# KiCad board Control_Unit_Final.kicad_pcb
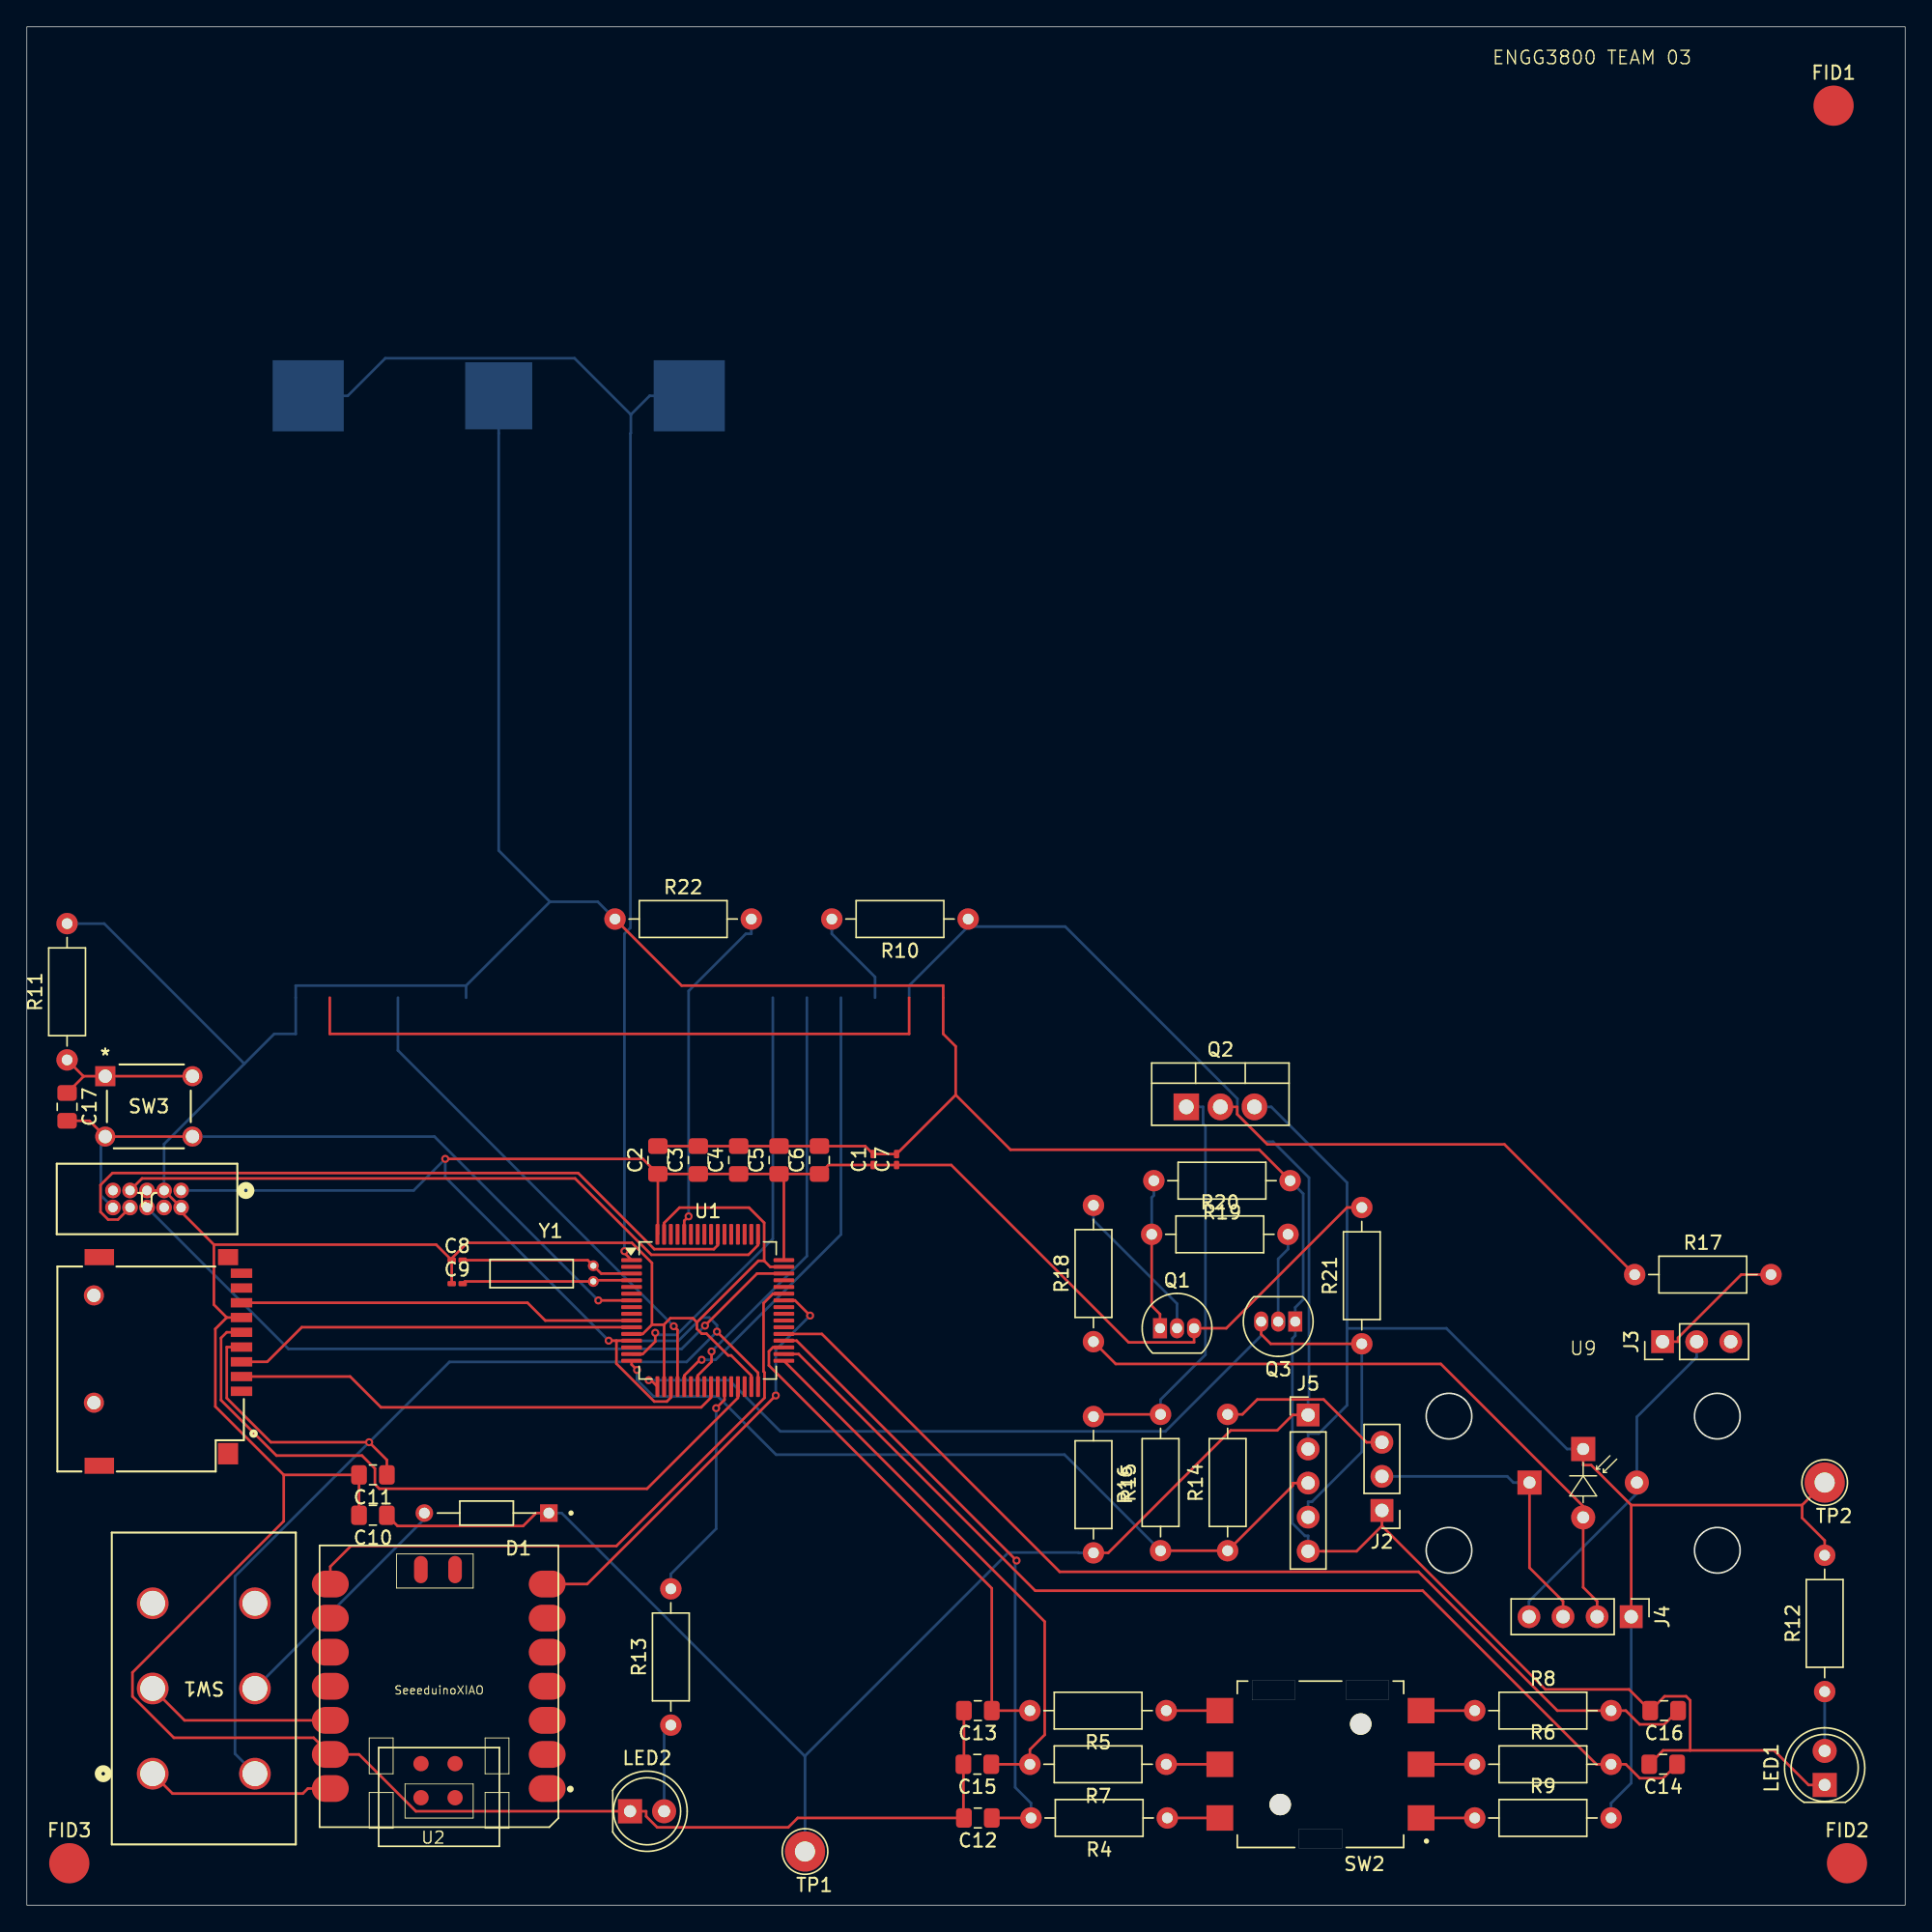
[diagram p0: board, top side]
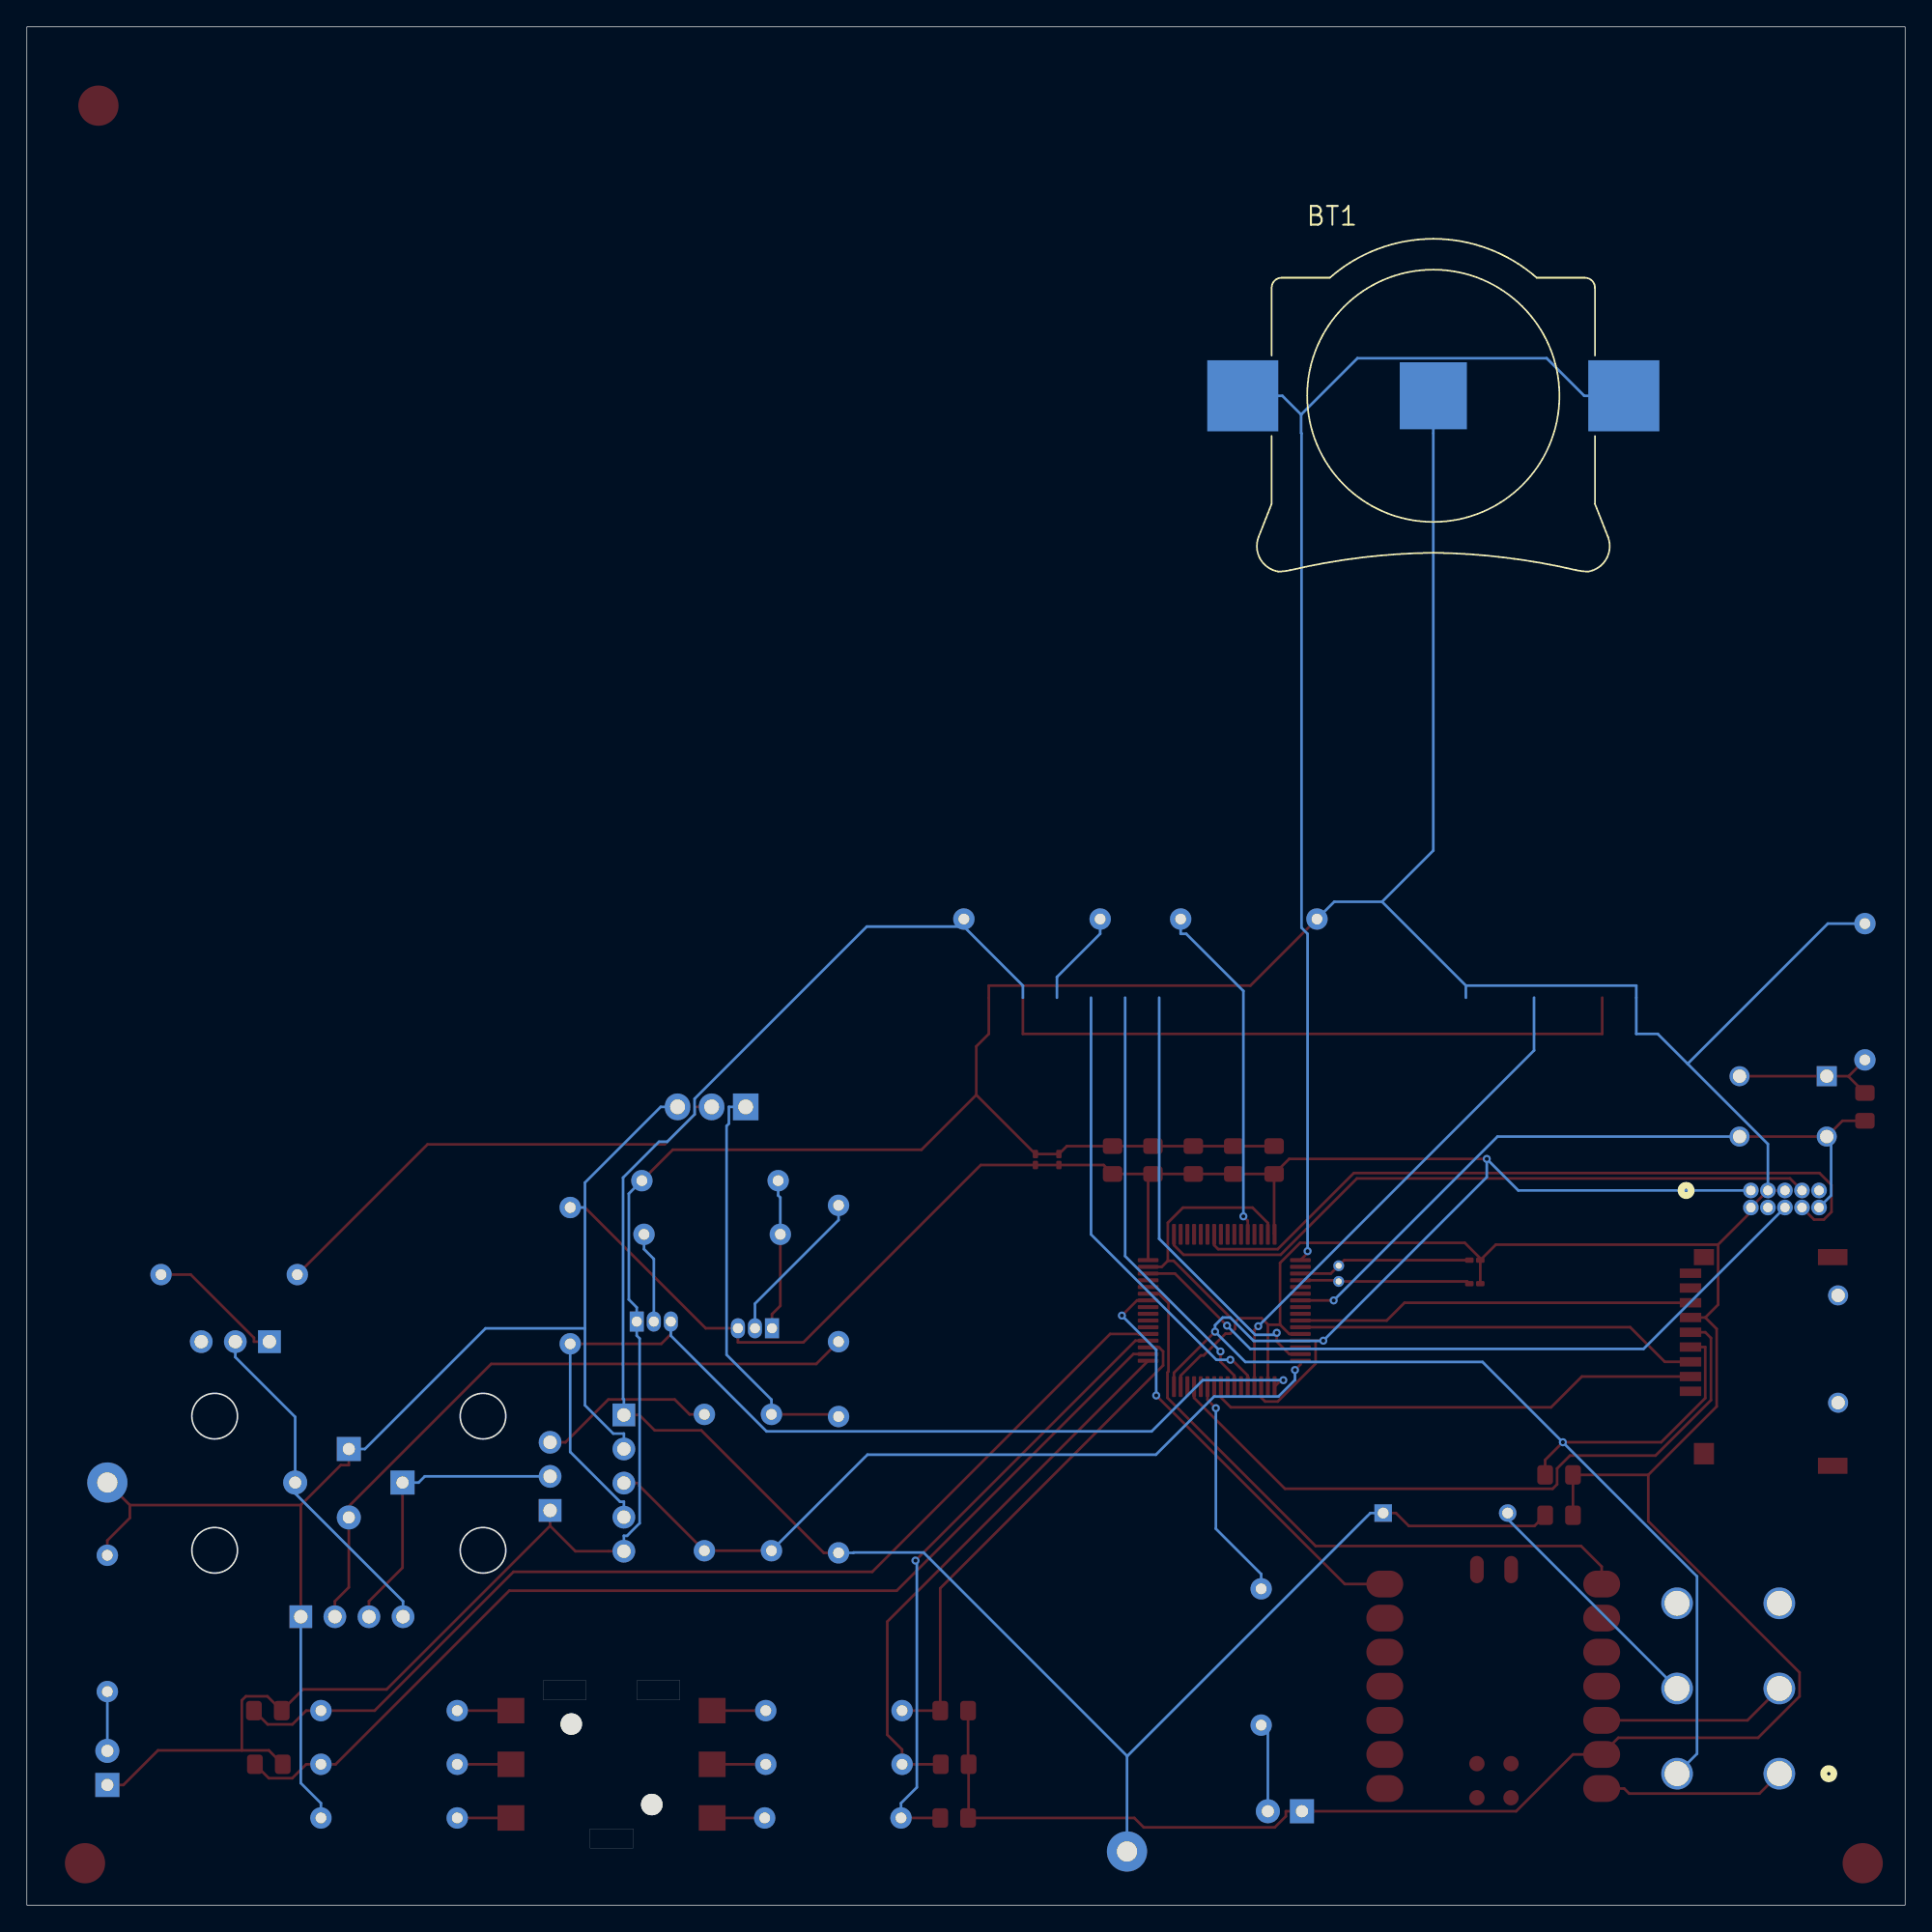
[diagram p1: board, bottom side, seen from below]

Outline 140 x 140 mm; copper layers: Top, Bottom. Coordinates in mm from the lower left corner of the outline.
Outline path: rectangle 0,140 140,0
Stack: Top 0.035mm / dielectric 1.51mm FR4 er 4.5 / Bottom 0.035mm

## Placement (name value [footprint] x y rotation side)
BT1  BHX1-2032-SM  [BAT_BHX1-2032-SM]  35.17 112.5 180 bottom
C1  4.7u 10% 10V X5R  [C_0201_0603Metric_Pad0.64x0.40mm_HandSolder]  63.08 55.58 90 top
C2  100n  [C_0805_2012Metric_Pad1.18x1.45mm_HandSolder]  47.03 55.54 90 top
C3  100n  [C_0805_2012Metric_Pad1.18x1.45mm_HandSolder]  50.05 55.54 90 top
C4  100n  [C_0805_2012Metric_Pad1.18x1.45mm_HandSolder]  53.06 55.54 90 top
C5  100n  [C_0805_2012Metric_Pad1.18x1.45mm_HandSolder]  56.06 55.54 90 top
C6  100n  [C_0805_2012Metric_Pad1.18x1.45mm_HandSolder]  59.08 55.54 90 top
C7  1UF  [C_0201_0603Metric_Pad0.64x0.40mm_HandSolder]  64.83 55.58 90 top
C8  1UF  [C_0201_0603Metric_Pad0.64x0.40mm_HandSolder]  32.08 48.08 0 top
C9  1UF  [C_0201_0603Metric_Pad0.64x0.40mm_HandSolder]  32.08 46.33 0 top
C10  10u  [C_0805_2012Metric_Pad1.18x1.45mm_HandSolder]  25.8 29.06 180 top
C11  10u  [C_0805_2012Metric_Pad1.18x1.45mm_HandSolder]  25.8 32.07 180 top
C12  100n  [C_0805_2012Metric_Pad1.18x1.45mm_HandSolder]  70.88 6.5 180 top
C13  100n  [C_0805_2012Metric_Pad1.18x1.45mm_HandSolder]  70.88 14.5 180 top
C14  100n  [C_0805_2012Metric_Pad1.18x1.45mm_HandSolder]  121.96 10.5 180 top
C15  100n  [C_0805_2012Metric_Pad1.18x1.45mm_HandSolder]  70.84 10.5 180 top
C16  100n  [C_0805_2012Metric_Pad1.18x1.45mm_HandSolder]  122.04 14.5 180 top
C17  100n  [C_0805_2012Metric_Pad1.18x1.45mm_HandSolder]  3 59.5 270 top
D1  7.5V 500mW 5%  [DIOAD928W47L399D179]  34.27 29.23 180 top
J1  ETSG: 07-20-01  [CONN_3220-10-0100-00_CNC]  11.5 53.27 180 top
J2  Conn_01x03_Pin  [PinHeader_1x03_P2.54mm_Vertical]  101 29.42 180 top
J3  Conn_01x03_Pin  [PinHeader_1x03_P2.54mm_Vertical]  121.92 42 90 top
J4  Conn_01x04_Pin  [PinHeader_1x04_P2.54mm_Vertical]  119.58 21.5 270 top
J5  Conn_01x05_Pin  [PinHeader_1x05_P2.54mm_Vertical]  95.5 36.54 0 top
LED1  BLUE  [LED_D5.0mm_Clear]  134 8.96 90 top
LED2  GREEN  [LED_D5.0mm_Clear]  44.96 7 0 top
NOREF  -  [unnamed]  134.66 134.13 0 top
NOREF#2  -  [unnamed]  135.66 3.13 0 top
NOREF#3  -  [unnamed]  3.16 3.13 0 top
Q1  2N3904  [TO-92_Inline]  84.46 43 0 top
Q2  IRF9540N  [TO-220-3_Vertical]  86.42 59.5 0 top
Q3  2N3904  [TO-92_Inline]  94.54 43.5 180 top
R4  1K /0W125 / 100R / 0.125 Watt / 1%  [R_Axial_DIN0207_L6.3mm_D2.5mm_P10.16mm_Horizontal]  85 6.5 180 top
R5  1K /0W125 / 100R / 0.125 Watt / 1%  [R_Axial_DIN0207_L6.3mm_D2.5mm_P10.16mm_Horizontal]  84.93 14.5 180 top
R6  1K /0W125 / 100R / 0.125 Watt / 1%  [R_Axial_DIN0207_L6.3mm_D2.5mm_P10.16mm_Horizontal]  107.92 10.5 0 top
R7  1K /0W125 / 100R / 0.125 Watt / 1%  [R_Axial_DIN0207_L6.3mm_D2.5mm_P10.16mm_Horizontal]  84.93 10.5 180 top
R8  1K /0W125 / 100R / 0.125 Watt / 1%  [R_Axial_DIN0207_L6.3mm_D2.5mm_P10.16mm_Horizontal]  107.92 14.5 0 top
R9  100R /0W125 / 100R / 0.125 Watt / 1%  [R_Axial_DIN0207_L6.3mm_D2.5mm_P10.16mm_Horizontal]  107.92 6.5 0 top
R10  1.2K  [R_Axial_DIN0207_L6.3mm_D2.5mm_P10.16mm_Horizontal]  70.16 73.5 180 top
R11  1K 1% 0W125 100R  [R_Axial_DIN0207_L6.3mm_D2.5mm_P10.16mm_Horizontal]  3 63 90 top
R12  20R 1% 0.100W  [R_Axial_DIN0207_L6.3mm_D2.5mm_P10.16mm_Horizontal]  134 15.92 90 top
R13  62R 5% 0.100W  [R_Axial_DIN0207_L6.3mm_D2.5mm_P10.16mm_Horizontal]  48 13.42 90 top
R14  15R  [R_Axial_DIN0207_L6.3mm_D2.5mm_P10.16mm_Horizontal]  89.5 26.42 90 top
R15  100R  [R_Axial_DIN0207_L6.3mm_D2.5mm_P10.16mm_Horizontal]  84.5 26.42 90 top
R16  10K  [R_Axial_DIN0207_L6.3mm_D2.5mm_P10.16mm_Horizontal]  79.5 36.42 270 top
R17  15R  [R_Axial_DIN0207_L6.3mm_D2.5mm_P10.16mm_Horizontal]  119.84 47 0 top
R18  1K  [R_Axial_DIN0207_L6.3mm_D2.5mm_P10.16mm_Horizontal]  79.5 42 90 top
R19  1K  [R_Axial_DIN0207_L6.3mm_D2.5mm_P10.16mm_Horizontal]  94.16 54 180 top
R20  100  [R_Axial_DIN0207_L6.3mm_D2.5mm_P10.16mm_Horizontal]  83.84 50 0 top
R21  1K  [R_Axial_DIN0207_L6.3mm_D2.5mm_P10.16mm_Horizontal]  99.5 41.84 90 top
R22  10K  [R_Axial_DIN0207_L6.3mm_D2.5mm_P10.16mm_Horizontal]  43.84 73.5 0 top
SW1  S201031MS02Q  [SW6_S201031MS02Q_CNK]  9.38 9.8 180 top
SW2  JS5208  [SW_JS5208]  96.42 10.5 180 top
SW3  1825910-6  [SW4_1825910-B_TEC]  12.34 57.29 0 top
TP1  TestPoint  [TestPoint_Loop_D2.54mm_Drill1.5mm_Beaded]  58 4 0 top
TP2  TestPoint  [TestPoint_Loop_D2.54mm_Drill1.5mm_Beaded]  134 31.5 0 top
U1  STM32L431RCT6  [LQFP-64_10x10mm_P0.5mm]  50.75 44.33 0 top
U2  SeeeduinoXIAO  [Seeeduino XIAO-MOUDLE14P-2.54-21X17.8MM]  39.62 26.81 180 top
U3  ~  [SD_Card]  9.5 40 270 top
U9  ~  [OPTIC3800T3]  116 41.5 0 top
Y1  AB26T-32.768KHZ  [XTAL_AB26T-32.768KHZ]  42.22 47.08 0 top

## Library data of the parts
BT1 = -: PARTREV: L; STANDARD: Manufacturer Recommendations; MAXIMUM_PACKAGE_HEIGHT: 4.32 mm; MANUFACTURER: MPD
C1 = -: Description: 4.7u; Field5: 10%; Field6: 10V; Field7: X5R
C2-C6 C12-C16 = -: Description: ETSG: 64-04-12; Field6: 10%; Field7: 50V; Field8: X7R
C7 = -: Description: 1uF; Field5: 10%; Field6: 50V; Field7: X7R
C8 C9 = -: Description: 1uF /10% /50V /X7R
C10 C11 = -: Description: Unpolarized capacitor; Field5: 10uF; Field6: 10%; Field7: 16V; Field8: X5R
C17 = -: Description: ETSG: 64-04-12; Field5: 100n /10% /50V /X7R
D1 = -: Description: ETSG: 04-61-01; PARTREV: G1804; MANUFACTURER: Taiwan Semiconductor; MAXIMUM_PACKAGE_HEIGHT: 2.28 mm; STANDARD: IPC-7351B
J1 = -: Datasheet: 3220-10-0100-00; Description: J-Link Connector; Field5: 10 pins / 1.27mm / Box Header / Surface Mount
J2 J3 = -: Description: Generic connector, single row, 01x03, script generated
J4 = -: Description: Generic connector, single row, 01x04, script generated
J5 = -: Description: Generic connector, single row, 01x05, script generated
LED1 LED2 = -: Description: Light emitting diode; Sim.Pins: 1=K 2=A
Q1 Q3 = -: Datasheet: https://www.onsemi.com/pub/Collateral/2N3903-D.PDF; Description: 0.2A Ic, 40V Vce, Small Signal NPN Transistor, TO-92
Q2 = -: Datasheet: http://www.irf.com/product-info/datasheets/data/irf9540n.pdf; Description: -23A Id, -100V Vds, 117mOhm Rds, P-Channel HEXFET Power MOSFET, TO-220
R4-R22 = -: Description: Resistor, US symbol
SW2 = -: PARTREV: D; MANUFACTURER: E-Switch; MAXIMUM_PACKAGE_HEIGHT: 12.6 mm; STANDARD: Manufacturer Recommendations
TP1 TP2 = -: Description: test point
U1 = -: Datasheet: https://www.st.com/resource/en/datasheet/stm32l431rc.pdf; Description: STMicroelectronics Arm Cortex-M4 MCU, 256KB flash, 64KB RAM, 80 MHz, 1.71-3.6V, 52 GPIO, LQFP64
U3 = -: Description: ETSG: 08-70-02; Field 5: Micro SD Connector; Field6: Push-Push / SMT / SMD /Top board mounting
Y1 = -: PARTREV: 06.29.10; STANDARD: IPC-7351B; MAXIMUM_PACKAGE_HEIGHT: 2.1 mm; MANUFACTURER: Abracon

## Footprints (pads in the part's own frame, mm; a bottom-side part is the same pattern mirrored in y, then rotated)
BAT_BHX1-2032-SM
  rect 5x5 smd: -(0,0)
  rect 5.3x5.3 smd: S+1(-14.2,0) S+2(14.2,0)
C_0201_0603Metric_Pad0.64x0.40mm_HandSolder
  rrect 0.458x0.36 smd: (-0.432,0) (0.432,0)
  rrect 0.635x0.4 smd: 1(-0.407,0) 2(0.407,0)
C_0805_2012Metric_Pad1.18x1.45mm_HandSolder
  rrect 1.175x1.45 smd: 1(-1.038,0) 2(1.038,0)
CONN_3220-10-0100-00_CNC
  round 1.168 hole 0.711: 1(0,0) 2(0,1.27) 3(1.27,0) 4(1.27,1.27) 5(2.54,0) 6(2.54,1.27) 7(3.81,0) 8(3.81,1.27) 9(5.08,0) 10(5.08,1.27)
DIOAD928W47L399D179
  round 1.308 hole 0.8: A(4.64,0)
  rect 1.308x1.308 hole 0.8: C(-4.64,0)
LED_D5.0mm_Clear
  rect 1.8x1.8 hole 0.9: 1(0,0)
  round 1.8 hole 0.9: 2(2.54,0)
LQFP-64_10x10mm_P0.5mm
  rrect 1.55x0.3 smd: 1(-5.675,3.75) 2(-5.675,3.25) 3(-5.675,2.75) 4(-5.675,2.25) 5(-5.675,1.75) 6(-5.675,1.25) 7(-5.675,0.75) 8(-5.675,0.25) 9(-5.675,-0.25) 10(-5.675,-0.75) 11(-5.675,-1.25) 12(-5.675,-1.75) 13(-5.675,-2.25) 14(-5.675,-2.75) 15(-5.675,-3.25) 16(-5.675,-3.75) 33(5.675,-3.75) 34(5.675,-3.25) 35(5.675,-2.75) 36(5.675,-2.25) 37(5.675,-1.75) 38(5.675,-1.25) 39(5.675,-0.75) 40(5.675,-0.25) 41(5.675,0.25) 42(5.675,0.75) 43(5.675,1.25) 44(5.675,1.75) 45(5.675,2.25) 46(5.675,2.75) 47(5.675,3.25) 48(5.675,3.75)
  rrect 0.3x1.55 smd: 17(-3.75,-5.675) 18(-3.25,-5.675) 19(-2.75,-5.675) 20(-2.25,-5.675) 21(-1.75,-5.675) 22(-1.25,-5.675) 23(-0.75,-5.675) 24(-0.25,-5.675) 25(0.25,-5.675) 26(0.75,-5.675) 27(1.25,-5.675) 28(1.75,-5.675) 29(2.25,-5.675) 30(2.75,-5.675) 31(3.25,-5.675) 32(3.75,-5.675) 49(3.75,5.675) 50(3.25,5.675) 51(2.75,5.675) 52(2.25,5.675) 53(1.75,5.675) 54(1.25,5.675) 55(0.75,5.675) 56(0.25,5.675) 57(-0.25,5.675) 58(-0.75,5.675) 59(-1.25,5.675) 60(-1.75,5.675) 61(-2.25,5.675) 62(-2.75,5.675) 63(-3.25,5.675) 64(-3.75,5.675)
OPTIC3800T3
  rect 1.8x1.8 hole 0.9: 1(0,-7.5) 3(-4,-10)
  round 1.8 hole 0.9: 2(0,-12.6) 4(4,-10)
PinHeader_1x03_P2.54mm_Vertical
  rect 1.7x1.7 hole 1: 1(0,0)
  oval 1.7x1.7 hole 1: 2(0,-2.54) 3(0,-5.08)
PinHeader_1x04_P2.54mm_Vertical
  rect 1.7x1.7 hole 1: 1(0,0)
  oval 1.7x1.7 hole 1: 2(0,-2.54) 3(0,-5.08) 4(0,-7.62)
PinHeader_1x05_P2.54mm_Vertical
  rect 1.7x1.7 hole 1: 1(0,0)
  oval 1.7x1.7 hole 1: 2(0,-2.54) 3(0,-5.08) 4(0,-7.62) 5(0,-10.16)
R_Axial_DIN0207_L6.3mm_D2.5mm_P10.16mm_Horizontal
  round 1.6 hole 0.8: 1(0,0)
  oval 1.6x1.6 hole 0.8: 2(10.16,0)
SD_Card
  rect 0.7x1.6 smd: 1(1.7,6.5) 2(0.6,6.5) 3(-0.5,6.5) 4(-1.6,6.5) 5(-2.7,6.5) 6(-3.8,6.5) 7(-4.9,6.5) 8(-6,6.5) Cd(-7.1,6.5)
  round 1.5 hole 1: 10(-5.45,-4.5) 11(2.55,-4.5)
  rect 1.2x1.5 smd: GND(-8.3,5.5)
  rect 1.2x2.2 smd: GND(-8.3,-4.1) GND(7.25,-4.1)
  rect 1.6x1.5 smd: GND(6.35,5.5)
Seeeduino XIAO-MOUDLE14P-2.54-21X17.8MM
  oval 2.748x1.999 smd: 1(0.833,18.118) 2(0.833,15.578) 3(0.833,13.038) 4(0.833,10.498) 5(0.833,7.958) 6(0.833,5.418) 7(0.833,2.878) 8(16.998,2.878) 9(16.998,5.418) 10(16.998,7.958) 11(16.998,10.498) 12(16.998,13.038) 13(16.998,15.578) 14(16.998,18.118)
  oval 1.016x2.032 smd: 15(7.7,1.8) 16(10.25,1.8)
  round 1.143 smd: 17(7.699,18.804) 18(10.239,18.804) 19(7.699,16.264) 20(10.239,16.264)
SW4_1825910-B_TEC
  rect 1.499x1.499 hole 0.991: 1(-6.5,4.5)
  round 1.499 hole 0.991: 2(0,4.5) 3(-6.5,0) 4(0,0)
SW6_S201031MS02Q_CNK
  round 2.362 hole 1.854: 1(0,0) 2(0,-6.35) 3(0,-12.7) 4(-7.62,0) 5(-7.62,-6.35) 6(-7.62,-12.7)
SW_JS5208
  round 1.6 hole 1.6 unplated: (-3,-3) (3,3)
  rect 2x1.9 smd: 1(-7.5,4) 2(-7.5,0) 3(-7.5,-4) 4(7.5,4) 5(7.5,0) 6(7.5,-4)
TestPoint_Loop_D2.54mm_Drill1.5mm_Beaded
  round 3 hole 1.5: 1(0,0)
TO-92_Inline
  rect 1.05x1.5 hole 0.75: 1(0,0)
  oval 1.05x1.5 hole 0.75: 2(1.27,0) 3(2.54,0)
TO-220-3_Vertical
  rect 1.905x2 hole 1.1: 1(0,0)
  oval 1.905x2 hole 1.1: 2(2.54,0) 3(5.08,0)
unnamed
  round 3 smd: (0,0)
XTAL_AB26T-32.768KHZ
  round 0.81 hole 0.46: 1(0,0.585) 2(0,-0.585)

## Nets
+3.3V: J3.3
+3V3: C1.1 C2.1 C3.1 C4.1 C5.1 C6.1 C7.1 C11.1 J1.1 J4.1 J5.2 Q1.3 Q2.3 R9.2 R12.2 R21.2 SW1.4 TP2.1 U1.13 U1.19 U1.32 U1.48 U1.64 U3.4 U9.1
+5V: C10.1 D1.C J5.1 R10.1 R16.2 TP1.1
GND: BT1.- C1.2 C2.2 C3.2 C4.2 C5.2 C6.2 C7.2 C8.1 C9.1 C10.2 C11.2 C12.2 C13.2 C14.2 C15.2 C16.2 J1.2 J1.3 J1.5 J2.1 J5.5 LED1.1 LED2.1 Q3.1 R11.2 R19.1 R22.1 U1.12 U1.18 U1.31 U1.47 U1.63 U2.13 U3.6
/Joy and Sd and LCD/Button_Down: R5.1 SW2.6
/Joy and Sd and LCD/Button_Left: R6.1 SW2.2
/Joy and Sd and LCD/Button_Push: R8.1 SW2.3
/Joy and Sd and LCD/Button_Right: R7.1 SW2.5
/Joy and Sd and LCD/Button_Up: R4.1 SW2.4
/Optical Link/FD_AN: J4.2 R18.1 U9.2
/Optical Link/LED_AN: J3.2 J4.4 U9.4
/Optical Link/LED_CA: J2.2 J4.3 U9.3
Btn_Down: C13.1 R5.2 U1.35
Btn_Left: C14.1 R6.2 U1.34
Btn_Push: C16.1 R8.2 U1.37
Btn_Right: C15.1 R7.2 U1.33
Btn_Up: C12.1 R4.2 U1.36
JLink_CLK: J1.7 U1.49
JLink_RST: C17.2 J1.10 SW3.3 SW3.4 U1.7
JLink_SW0: J1.8 U1.55
JLink_SWDIO: J1.6 U1.46
LCD_E: U1.15
LCD_R/W: U1.23
LCD_RS: U1.21
LCD_RST: U1.20
RX_OPTICAL: J5.4 Q3.3 R21.1 U1.17
SAMPLING_LED: R13.2 U1.27
SD_CH0: U1.11 U3.3
SD_CLK: U1.29 U3.5
SD_CS: U1.25 U3.2
SD_D0: U1.10 U3.7
STM_RX: U1.43 U2.8
STM_TX: U1.42 U2.7
TX_OPTICAL: J5.3 R14.1 R15.1 U1.16
Net-(C17-Pad1): C17.1 R11.1 SW3.1 SW3.2
Net-(D1-PadA): D1.A SW1.5
Net-(J2-Pin_3): J2.3 R14.2
Net-(J3-Pin_1): J3.1 R17.2
Net-(LED1-A): LED1.2 R12.1
Net-(LED2-A): LED2.2 R13.1
Net-(Q1-B): Q1.2 R18.2
Net-(Q1-E): Q1.1 R19.2 R20.1
Net-(Q2-D): Q2.2 R17.1
Net-(Q2-G): Q2.1 R15.2 R16.1
Net-(Q3-B): Q3.2 R20.2
Net-(R9-Pad1): R9.1 SW2.1
Net-(SW1-Pad1): SW1.1 U2.14
Net-(U1-PC14): C8.2 U1.3 Y1.1
Net-(U1-PC15): C9.2 U1.4 Y1.2
Net-(U1-PH3): R22.2 U1.60
Net-(U1-VBAT): BT1.S+1 BT1.S+2 U1.1
Net-(U2-3V3): SW1.2 U2.12
Net-(U4-V0): R10.2

Pads without a net: J1 4 9; SW1 3 6; U1 2 5 6 8 9 14 22 24 26 28 30 38 39 40 41 44 45 50 51 52 53 54 56 57 58 59 61 62; U2 1 2 3 4 5 6 9 10 11 15 16 17 18 19 20; U3 1 8 10 11 Cd GND

## Via types
v1: diameter 0.6, hole 0.3, Top to Bottom, 18 vias

## Routing (per net, layer and track width the routed paths; a pad name or vN(x,y) marks a point on that pad's centre or on a via; arc(x,y) is an arc through that point)
+3V3: length 335.3
  Top w0.2: U1.32 54.5,39.69 v1(51.44,42.75) ; R12.2 134,27.18 132.32,28.86 132.32,29.82 ; 119.58,29.82 J4.1 ; 119.58,29.82 132.32,29.82 ; 119.58,29.82 116.6,32.8 116,32.8 U9.1 ; v1(31.19,55.62) 45.91,55.62 C2.1 ; 43.95,42.08 43.95,40.36 46.77,37.54 47.7,37.54 48,37.84 U1.19 ; 43.95,42.08 U1.13 ; 43.95,42.08 v1(43.37,42.08) ; 56.42,54.5 C5.1 C4.1 C3.1 C2.1 ; 56.42,54.5 U1.48 ; 56.42,54.5 C6.1 59.74,55.17 C1.1 C7.1 68.9,55.17 82.12,41.95 87,41.95 Q1.3 89.4,43 98.4,52 R21.2 ; 132.32,29.82 TP2.1 ; C2.1 47.03,50.04 U1.64 ; C11.1 26.83,33.18 v1(25.51,34.5) 18.19,34.5 14.9,37.79 14.9,41.6 U3.4
  Bottom w0.2: 98.4,52 98.4,42.99 ; 98.4,52 R21.2 ; 98.4,52 98.4,53.85 92.75,59.5 91.5,59.5 ; 98.4,42.99 105.81,42.99 114.8,34 U9.1 ; 98.4,42.99 98.4,37.26 96.29,35.15 95.5,35.15 J5.2 ; R9.2 118.08,7.6 119.58,9.1 J4.1 ; SW1.4 15.52,11.28 15.52,24.51 v1(25.51,34.5) 31.5,40.49 49.18,40.49 v1(51.44,42.75) 51.44,43.23 50.87,43.8 50.3,43.8 48.56,42.06 43.38,42.06 v1(43.37,42.08) 31.19,54.26 v1(31.19,55.62) 28.83,53.27 J1.1
+5V: length 202.4
  Top w0.2: J5.1 94.35,36.54 93.2,35.39 89.73,35.39 80.6,26.26 R16.2 ; C10.1 27.63,28.26 36.99,28.26 37.95,29.23 D1.C ; 22.58,67.64 22.58,64.94 65.76,64.94 65.76,67.64
  Bottom w0.2: D1.C 39.86,29.23 57.96,11.12 58,11.12 ; 58,11.12 TP1.1 ; 58,11.12 73.16,26.28 78.38,26.28 78.4,26.26 R16.2 ; R10.1 70.16,72.94 ; 70.16,72.94 65.76,68.54 65.76,67.64 ; 70.16,72.94 77.4,72.94 90.23,60.1 90.23,58.94 92.27,56.9 92.88,56.9 95.56,54.22 95.56,37.75 95.5,37.69 J5.1
GND: length 486.3
  Top w0.2: 54.96,48.03 55.41,47.58 U1.47 ; 54.96,48.03 54.96,50.86 53.83,51.99 48.64,51.99 47.5,50.85 U1.63 ; 54.96,48.03 54.53,48.03 49.95,43.45 ; 19.15,32.07 C11.2 C10.2 ; 19.15,32.07 19.15,28.62 7.87,17.35 7.87,15.56 10.96,12.48 21.38,12.48 U2.13 24.76,11.24 28.99,7 LED2.1 46.16,7 46.16,6.62 46.99,5.8 56.75,5.8 57.45,6.5 69.81,6.5 ; 19.15,32.07 14.05,37.17 14.05,42.95 14.9,43.8 ; 47.5,43.26 47.5,43.28 47.97,43.75 49.64,43.75 49.95,43.45 ; 47.5,43.26 46.59,43.26 ; 47.5,43.26 U1.18 ; C14.2 121.96,11.54 123.97,11.54 ; J5.5 99.11,26.38 101,28.27 ; 69.81,6.5 C15.2 69.84,10.54 C13.2 ; 69.81,6.5 C12.2 ; 31.6,48.14 32.82,49.37 45.09,49.37 46.59,47.87 46.59,43.26 ; 31.6,48.14 C8.1 C9.1 ; 31.6,48.14 30.51,49.23 13.94,49.23 ; R22.1 48.8,68.54 68.3,68.54 68.3,64.94 69.23,64.01 69.23,60.39 ; 101,28.27 113.19,16.08 119.42,16.08 C16.2 122.07,15.57 123.67,15.57 123.97,15.27 123.97,11.54 ; 101,28.27 J2.1 ; 14.9,43.8 13.94,44.76 13.94,49.23 ; 14.9,43.8 U3.6 ; LED1.1 132.8,8.96 130.22,11.54 123.97,11.54 ; 13.94,49.23 11.5,51.67 J1.2 10.23,53.27 J1.5 ; 49.95,43.45 49.95,42.95 50.3,42.6 50.66,42.6 52.28,40.98 52.49,40.98 54,39.47 U1.31 ; 46.59,43.26 45.91,42.58 U1.12 ; 69.23,60.39 73.32,56.31 91.85,56.31 R19.1 ; 69.23,60.39 C7.2 C1.2 62.48,56.58 C6.2 C5.2 C4.2 C3.2 C2.2
  Bottom w0.2: J5.5 95.5,27.53 95.26,27.53 94.33,28.47 94.33,42.24 94.54,42.45 Q3.1 94.54,44.55 95.13,45.14 95.13,53.03 R19.1 ; BT1.- 35.17,78.61 38.99,74.79 ; 16.21,62.71 5.76,73.16 R11.2 ; 16.21,62.71 10.23,56.73 10.23,53.27 ; 16.21,62.71 18.44,64.94 20.04,64.94 20.04,68.54 32.74,68.54 ; 38.99,74.79 42.55,74.79 R22.1 ; 38.99,74.79 32.74,68.54 ; 32.74,68.54 32.74,67.64
/Joy and Sd and LCD/Button_Down: length 4
  Top w0.2: R5.1 SW2.6
/Joy and Sd and LCD/Button_Left: length 4
  Top w0.2: R6.1 SW2.2
/Joy and Sd and LCD/Button_Push: length 4
  Top w0.2: R8.1 SW2.3
/Joy and Sd and LCD/Button_Right: length 4
  Top w0.2: R7.1 SW2.5
/Joy and Sd and LCD/Button_Up: length 3.9
  Top w0.2: R4.1 SW2.4
/Optical Link/FD_AN: length 50.2
  Top w0.2: R18.1 81.16,40.34 105.39,40.34 116,29.73 U9.2 116,23.69 117.04,22.65 117.04,21.5
/Optical Link/LED_AN: length 25.7
  Bottom w0.2: J4.4 111.96,22.65 120,30.69 U9.4 120,36.39 124.46,40.85 J3.2
/Optical Link/LED_CA: length 22.2
  Top w0.2: U9.3 112,25.15 114.5,22.65 J4.3
  Bottom w0.2: J2.2 110.34,31.96 110.8,31.5 U9.3
Btn_Down: length 37.7
  Top w0.2: U1.35 55.61,41.58 55.31,41.28 55.31,40.23 71.92,23.62 C13.1 R5.2
Btn_Left: length 80.1
  Top w0.2: U1.34 57.53,41.08 75.16,23.44 104.04,23.44 116.98,10.5 R6.2 119.18,10.5 120.22,9.46 121.96,9.46 C14.1
Btn_Push: length 79.1
  Top w0.2: U1.37 59.26,42.58 76.99,24.85 103.73,24.85 114.08,14.5 R8.2 119.18,14.5 120.21,13.47 122.05,13.47 C16.1
Btn_Right: length 41.5
  Top w0.2: U1.33 75.87,21.13 75.87,12.7 74.77,11.6 R7.2 C15.1
Btn_Up: length 46.8
  Top w0.2: U1.36 57.38,42.08 v1(73.77,25.68) ; C12.1 R4.2
  Bottom w0.2: v1(73.77,25.68) 73.66,25.58 73.66,8.78 74.84,7.6 R4.2
JLink_CLK: length 50.6
  Top w0.2: U1.49 54.5,49.19 53.79,48.48 46.55,48.48 40.86,54.17 8.59,54.17 7.69,53.27
JLink_RST: length 53.4
  Top w0.2: U1.7 v1(42.6,45.08) ; C17.2 4.67,58.46 SW3.3 SW3.4
  Bottom w0.2: SW3.4 30.38,57.29 v1(42.6,45.08) ; SW3.3 5.52,56.96 5.52,52.9 J1.10
JLink_SW0: length 54.5
  Top w0.2: 7.69,52 6.79,51.1 6.06,51.1 5.49,51.67 5.49,53.68 6.38,54.57 41.09,54.57 46.77,48.89 51.2,48.89 51.5,49.19 U1.55
JLink_SWDIO: length 54.2
  Top w0.2: v1(50.55,43.2) 54.42,47.08 U1.46
  Bottom w0.2: v1(50.55,43.2) 48.81,41.46 19.5,41.46 J1.6
LCD_E: length 32.6
  Top w0.2: U1.15 45.9,41.08 46.84,42.01 v1(46.84,42.66)
  Bottom w0.2: 55.6,67.64 55.6,49.67 48.44,42.51 46.99,42.51 v1(46.84,42.66)
LCD_R/W: length 32.4
  Top w0.2: U1.23 50,39.48 51.03,40.51 v1(51.03,41.27)
  Bottom w0.2: v1(51.03,41.27) 58.14,48.38 58.14,67.64
LCD_RS: length 34.5
  Top w0.2: U1.21 49,39.48 50.17,40.65 v1(50.3,40.65)
  Bottom w0.2: 60.68,67.64 60.68,49.99 51.34,40.65 v1(50.3,40.65)
LCD_RST: length 37.6
  Top w0.2: v1(48.22,43.15) 48.5,42.87 U1.20
  Bottom w0.2: 27.66,67.64 27.66,63.71 v1(48.22,43.15)
RX_OPTICAL: length 75.6
  Top w0.2: R21.1 92.71,41.84 92,42.55 Q3.3 ; U1.17 46.52,39.13 v1(46.35,39.13)
  Bottom w0.2: Q3.3 92,42.45 84.87,35.32 56.16,35.32 52.35,39.13 v1(46.35,39.13) ; J5.4 95.5,30.07 95.79,30.07 99.5,33.78 R21.1
SAMPLING_LED: length 16.7
  Top w0.2: v1(51.38,37.04) 52,37.67 U1.27
  Bottom w0.2: R13.2 48,24.68 51.38,28.06 v1(51.38,37.04)
SD_CH0: length 30.1
  Top w0.2: U1.11 20.49,43.08 17.92,40.5 U3.3
SD_CLK: length 51.9
  Top w0.2: U1.29 53,37.81 46.22,31.04 26.27,31.04 25.95,31.37 25.95,32.55 24.98,33.51 18.61,33.51 14.47,37.64 14.47,42.28 14.9,42.7 U3.5
SD_CS: length 37.1
  Top w0.2: U1.25 51,37.84 50.26,37.1 26.39,37.1 24.1,39.4 U3.2
SD_D0: length 29.6
  Top w0.2: U3.7 37.32,44.9 38.64,43.58 U1.10
STM_RX: length 47.8
  Top w0.2: U2.8 22.62,25.23 24.15,26.77 43.94,26.77 54.98,37.81 54.98,39.71 54.91,39.78 54.91,44.87 55.62,45.58 U1.43
STM_TX: length 32.3
  Top w0.2: v1(55.82,37.99) 41.77,23.94 U2.7 ; U1.42 57.25,45.08 v1(58.38,43.95)
  Bottom w0.2: v1(55.82,37.99) 55.82,41.39 v1(58.38,43.95)
TX_OPTICAL: length 59.1
  Top w0.2: J5.3 94.35,31.46 94.35,31.27 R14.1 R15.1 ; v1(45.48,39.89) 45.08,40.3 U1.16
  Bottom w0.2: R15.1 77.34,33.58 55.84,33.58 51.51,37.91 46.72,37.91 45.48,39.15 v1(45.48,39.89)
Net-(C17-Pad1): length 11.6
  Top w0.2: 4.21,61.79 4.21,61.75 C17.1 ; 4.21,61.79 R11.1 ; 4.21,61.79 SW3.1 SW3.2
Net-(D1-PadA): length 18.3
  Bottom w0.2: D1.A 29.63,28.78 SW1.5
Net-(J2-Pin_3): length 13.3
  Top w0.2: R14.2 90.6,36.58 91.71,37.69 96.66,37.69 99.85,34.5 J2.3
Net-(J3-Pin_1): length 10.3
  Top w0.2: J3.1 123.07,42 123.07,42.29 127.78,47 R17.2
Net-(LED1-A): length 4.4
  Bottom w0.2: LED1.2 R12.1
Net-(LED2-A): length 6.6
  Bottom w0.2: 47.5,7 47.5,12.92 R13.1
Net-(Q1-B): length 11.7
  Bottom w0.2: Q1.2 85.73,44.83 79.5,51.06 R18.2
Net-(Q1-E): length 11.3
  Top w0.2: R20.1 83.84,44.67 84.46,44.05 Q1.1
  Bottom w0.2: R20.1 83.84,52.74 84,52.9 R19.2
Net-(Q2-D): length 36.4
  Top w0.2: R17.1 110.13,56.71 92.46,56.71 90.21,58.95 90.21,59.5 Q2.2
Net-(Q2-G): length 30.7
  Top w0.2: R15.2 79.66,36.58 R16.1
  Bottom w0.2: R15.2 84.5,37.68 87.84,41.02 87.84,58.08 87.67,58.25 87.67,59.5 Q2.1
Net-(Q3-B): length 6.8
  Bottom w0.2: R20.2 94,48.9 93.27,48.17 93.27,43.5
Net-(R9-Pad1): length 4
  Top w0.2: R9.1 SW2.1
Net-(SW1-Pad1): length 14
  Top w0.2: SW1.1 10.86,8.32 20.57,8.32 20.95,8.7 U2.14
Net-(U1-PC14): length 13
  Top w0.2: C8.2 41.81,48.08 Y1.1 42.81,47.08 U1.3
Net-(U1-PC15): length 12.7
  Top w0.2: U1.4 42.31,46.58 Y1.2 32.65,46.49 C9.2
Net-(U1-PH3): length 25.8
  Top w0.2: v1(49.33,51.34) 49,51.01 U1.60
  Bottom w0.2: v1(49.33,51.34) 49.33,68.14 53.59,72.4 54,72.4 R22.2
Net-(U1-VBAT): length 95.3
  Top w0.2: v1(44.54,48.75) 44.54,48.61 U1.1
  Bottom w0.2: BT1.S+2 23.92,112.5 26.72,115.3 40.82,115.3 45.02,111.1 ; 45.02,111.1 45.02,109.73 44.99,109.7 44.99,72.85 44.54,72.4 v1(44.54,48.75) ; 45.02,111.1 46.42,112.5 BT1.S+1
Net-(U2-3V3): length 14.2
  Top w0.2: SW1.2 11.75,13.78 U2.12
Net-(U4-V0): length 7.2
  Bottom w0.2: R10.2 60,72.4 63.22,69.18 63.22,67.64

## Text on the board
F.Silkscreen: ENGG3800 TEAM 03 | FID3 | FID1 | FID2
